# Altium PCB flight controller rev2.PcbDoc (part 1 of 3)
Units mil, origin at the board's own origin, x right, y up, seen from the top; angles counter-clockwise.
Board outline 2992.13 x 3937.01 mil, 4 copper layers (Top Layer, horizontal, vertical, Bottom Layer), stack 70.112 mil thick; 184 components, 196 nets, 867 pads, 294 vias.
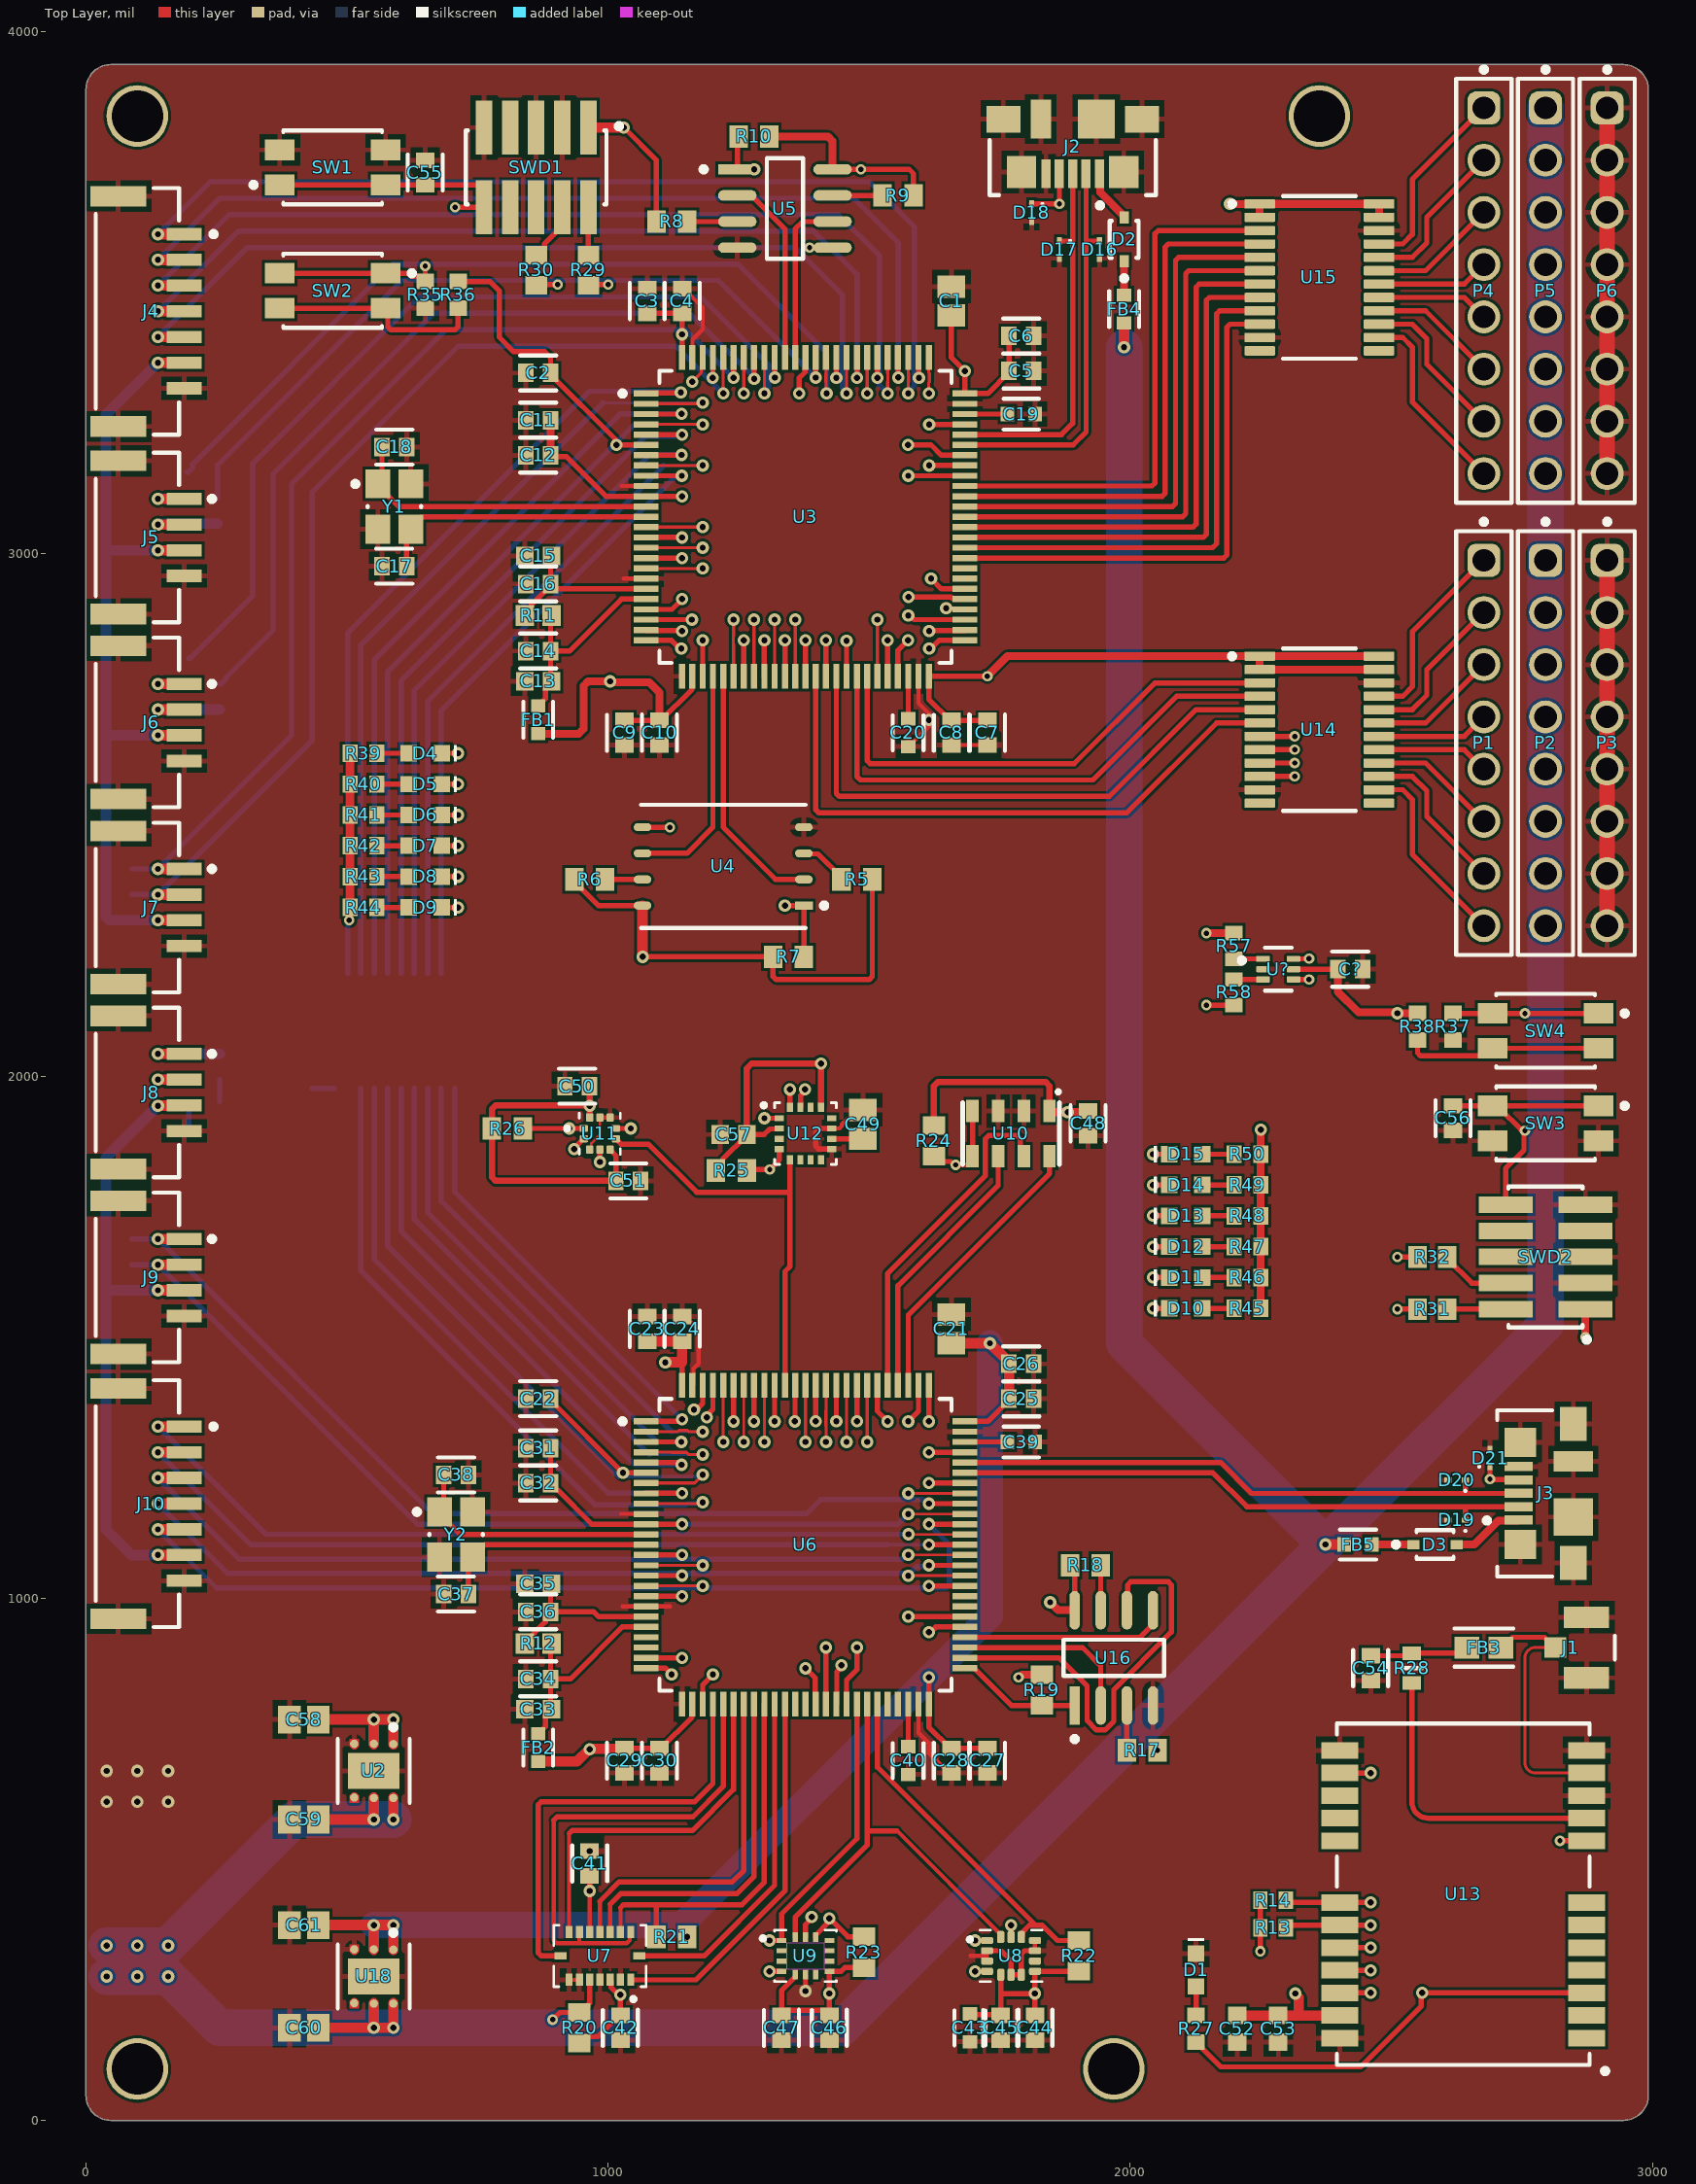
[diagram p0: Top Layer view]
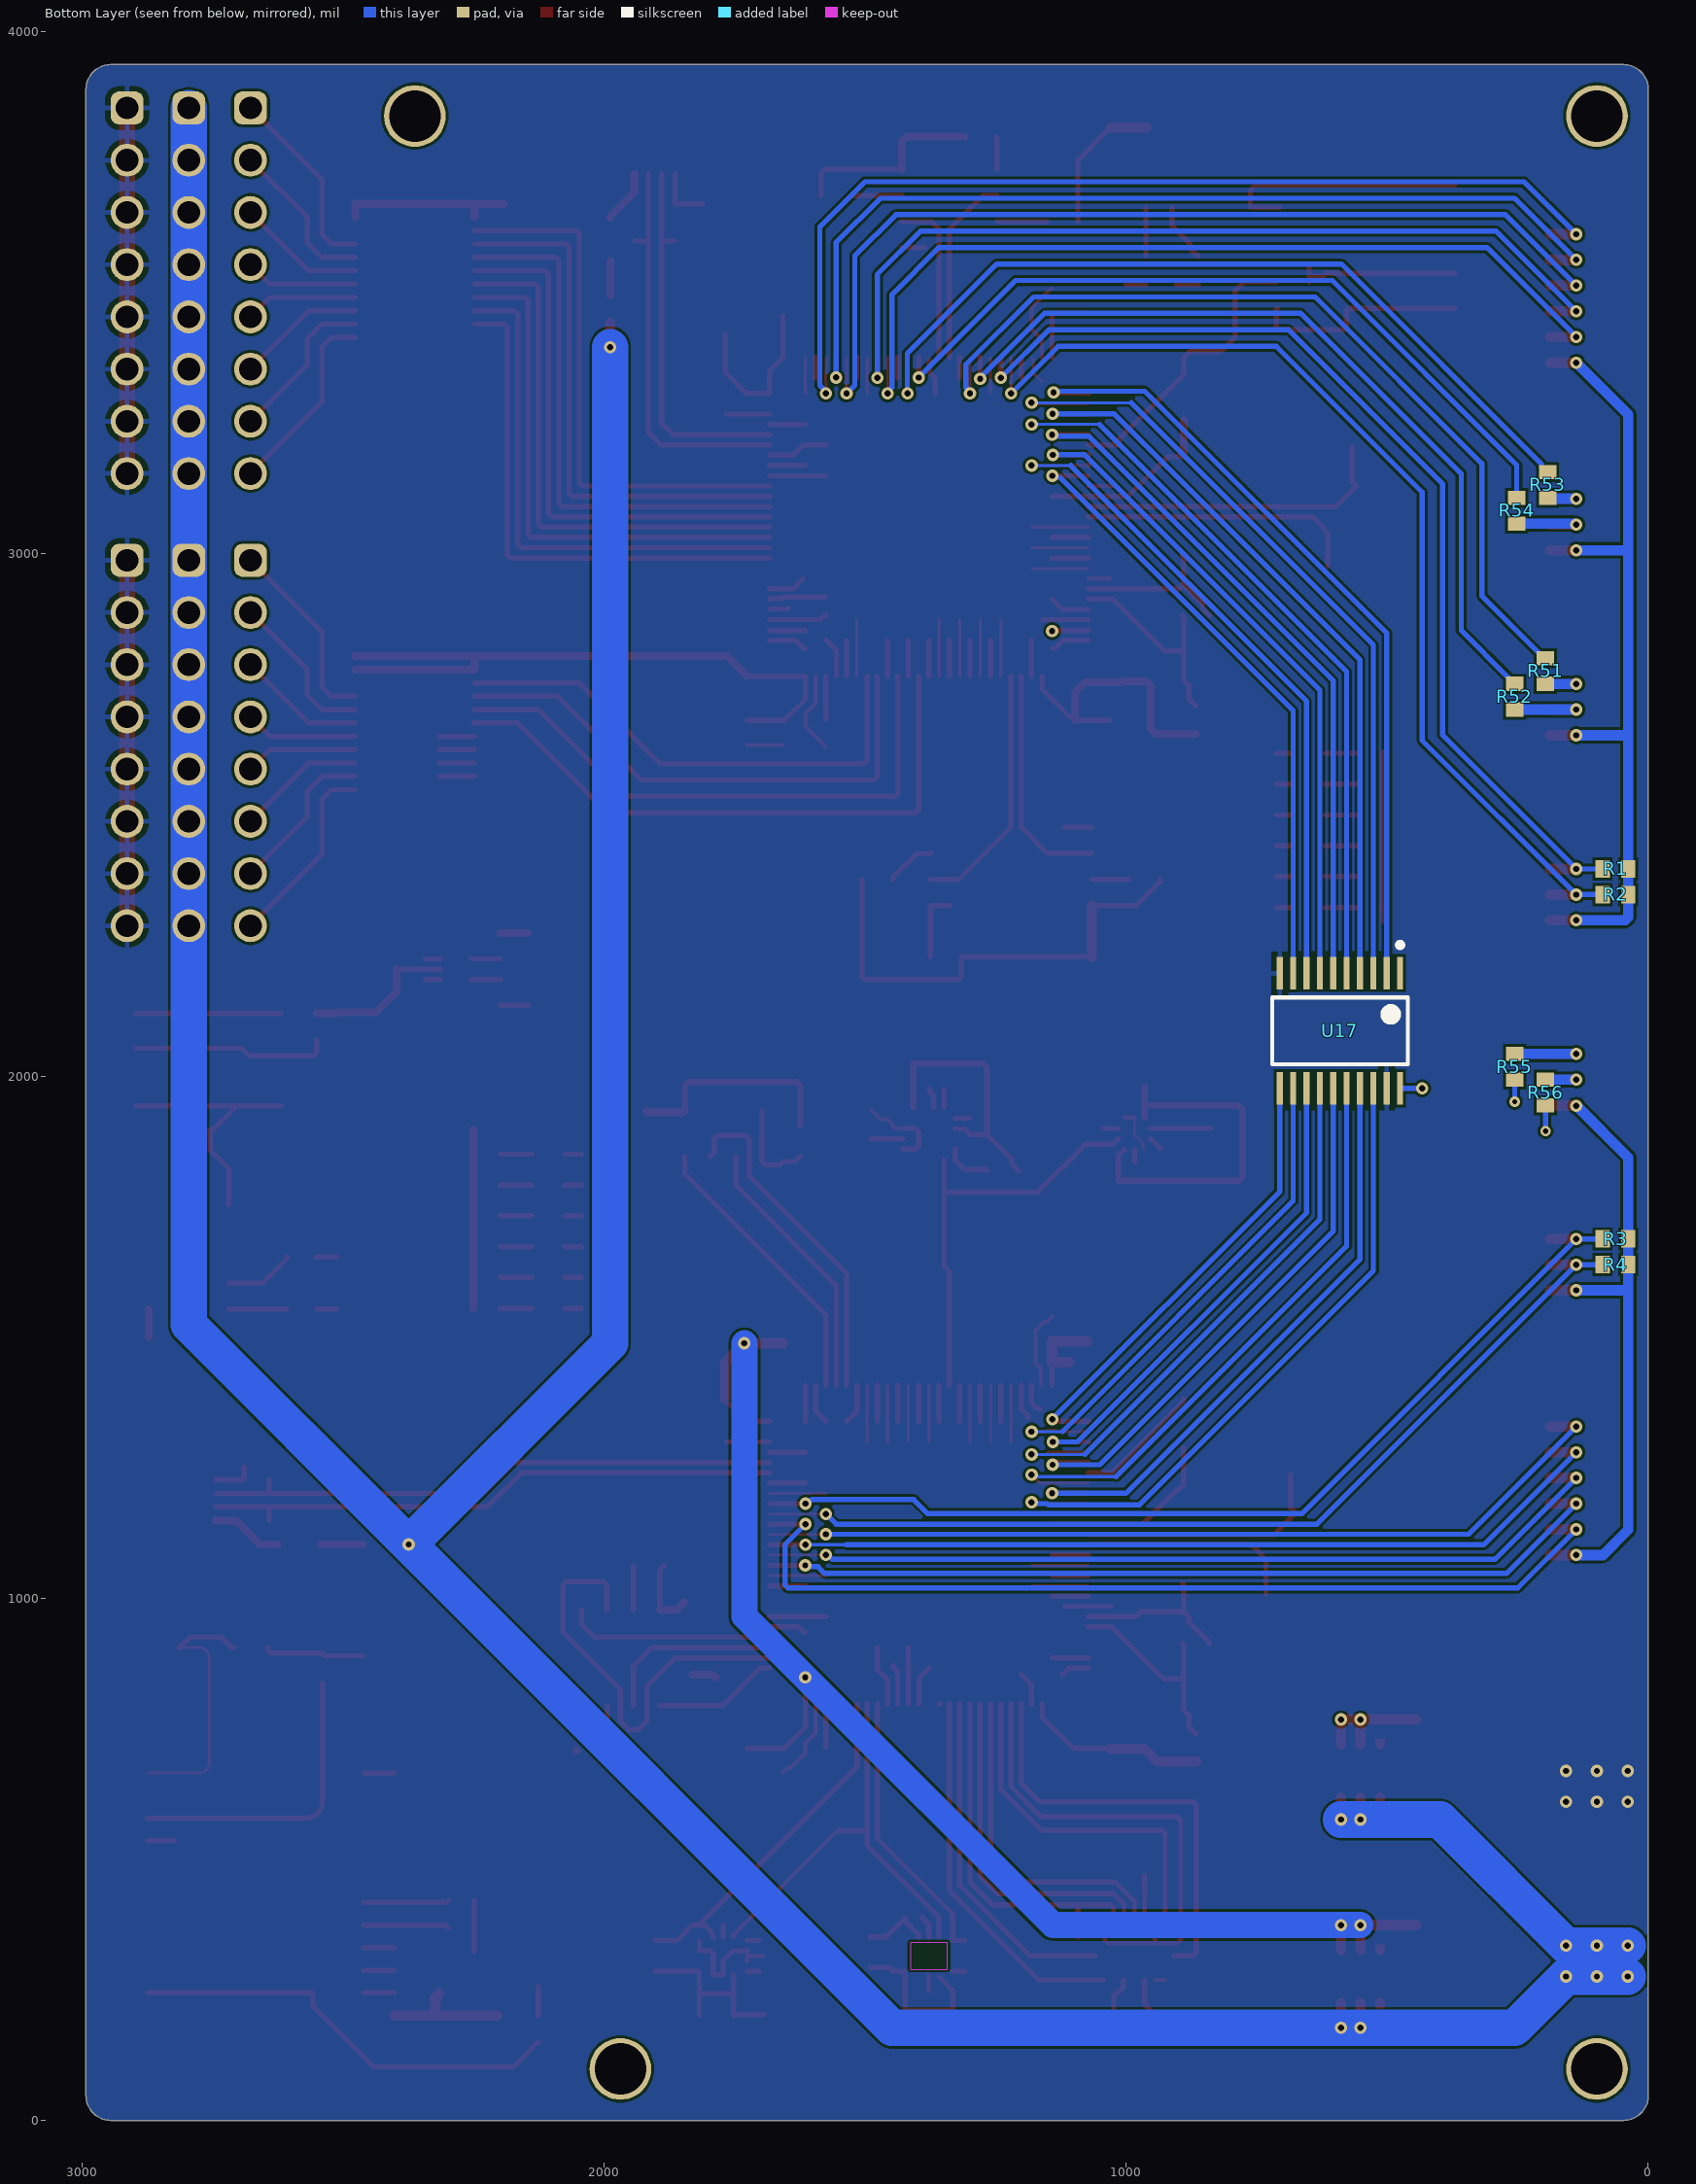
[diagram p1: Bottom Layer view, seen from below]
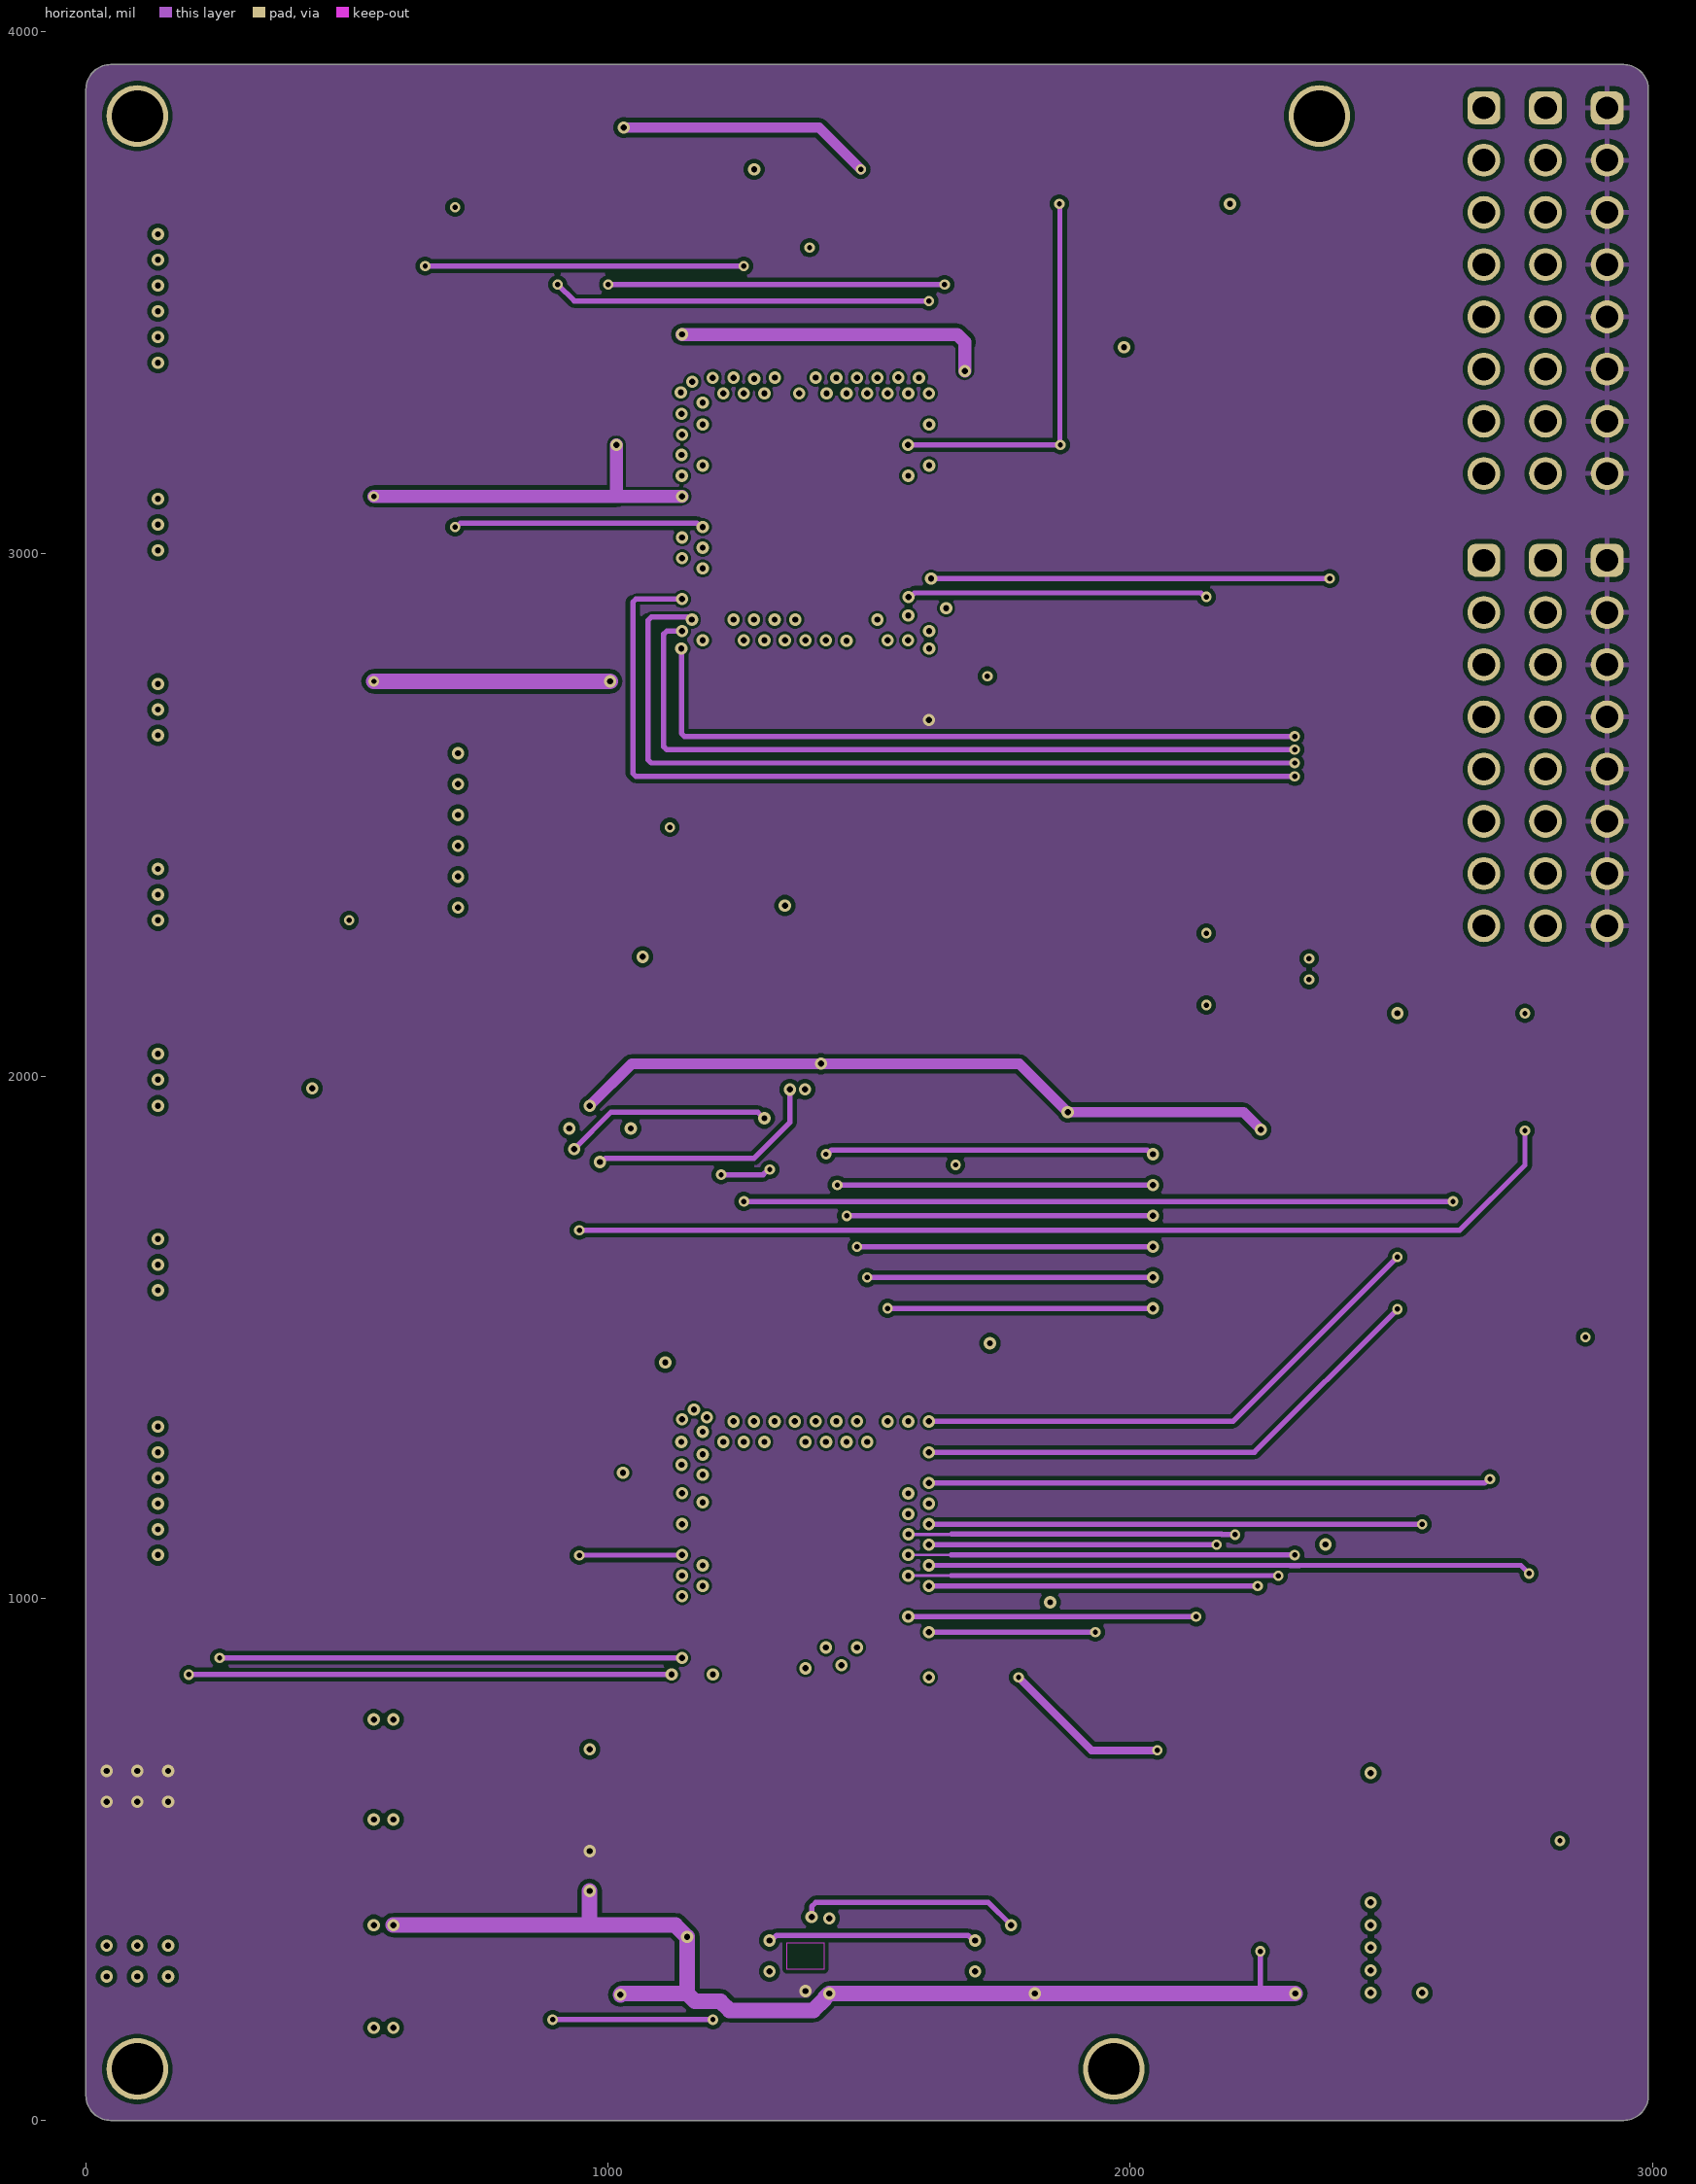
[diagram p2: horizontal]
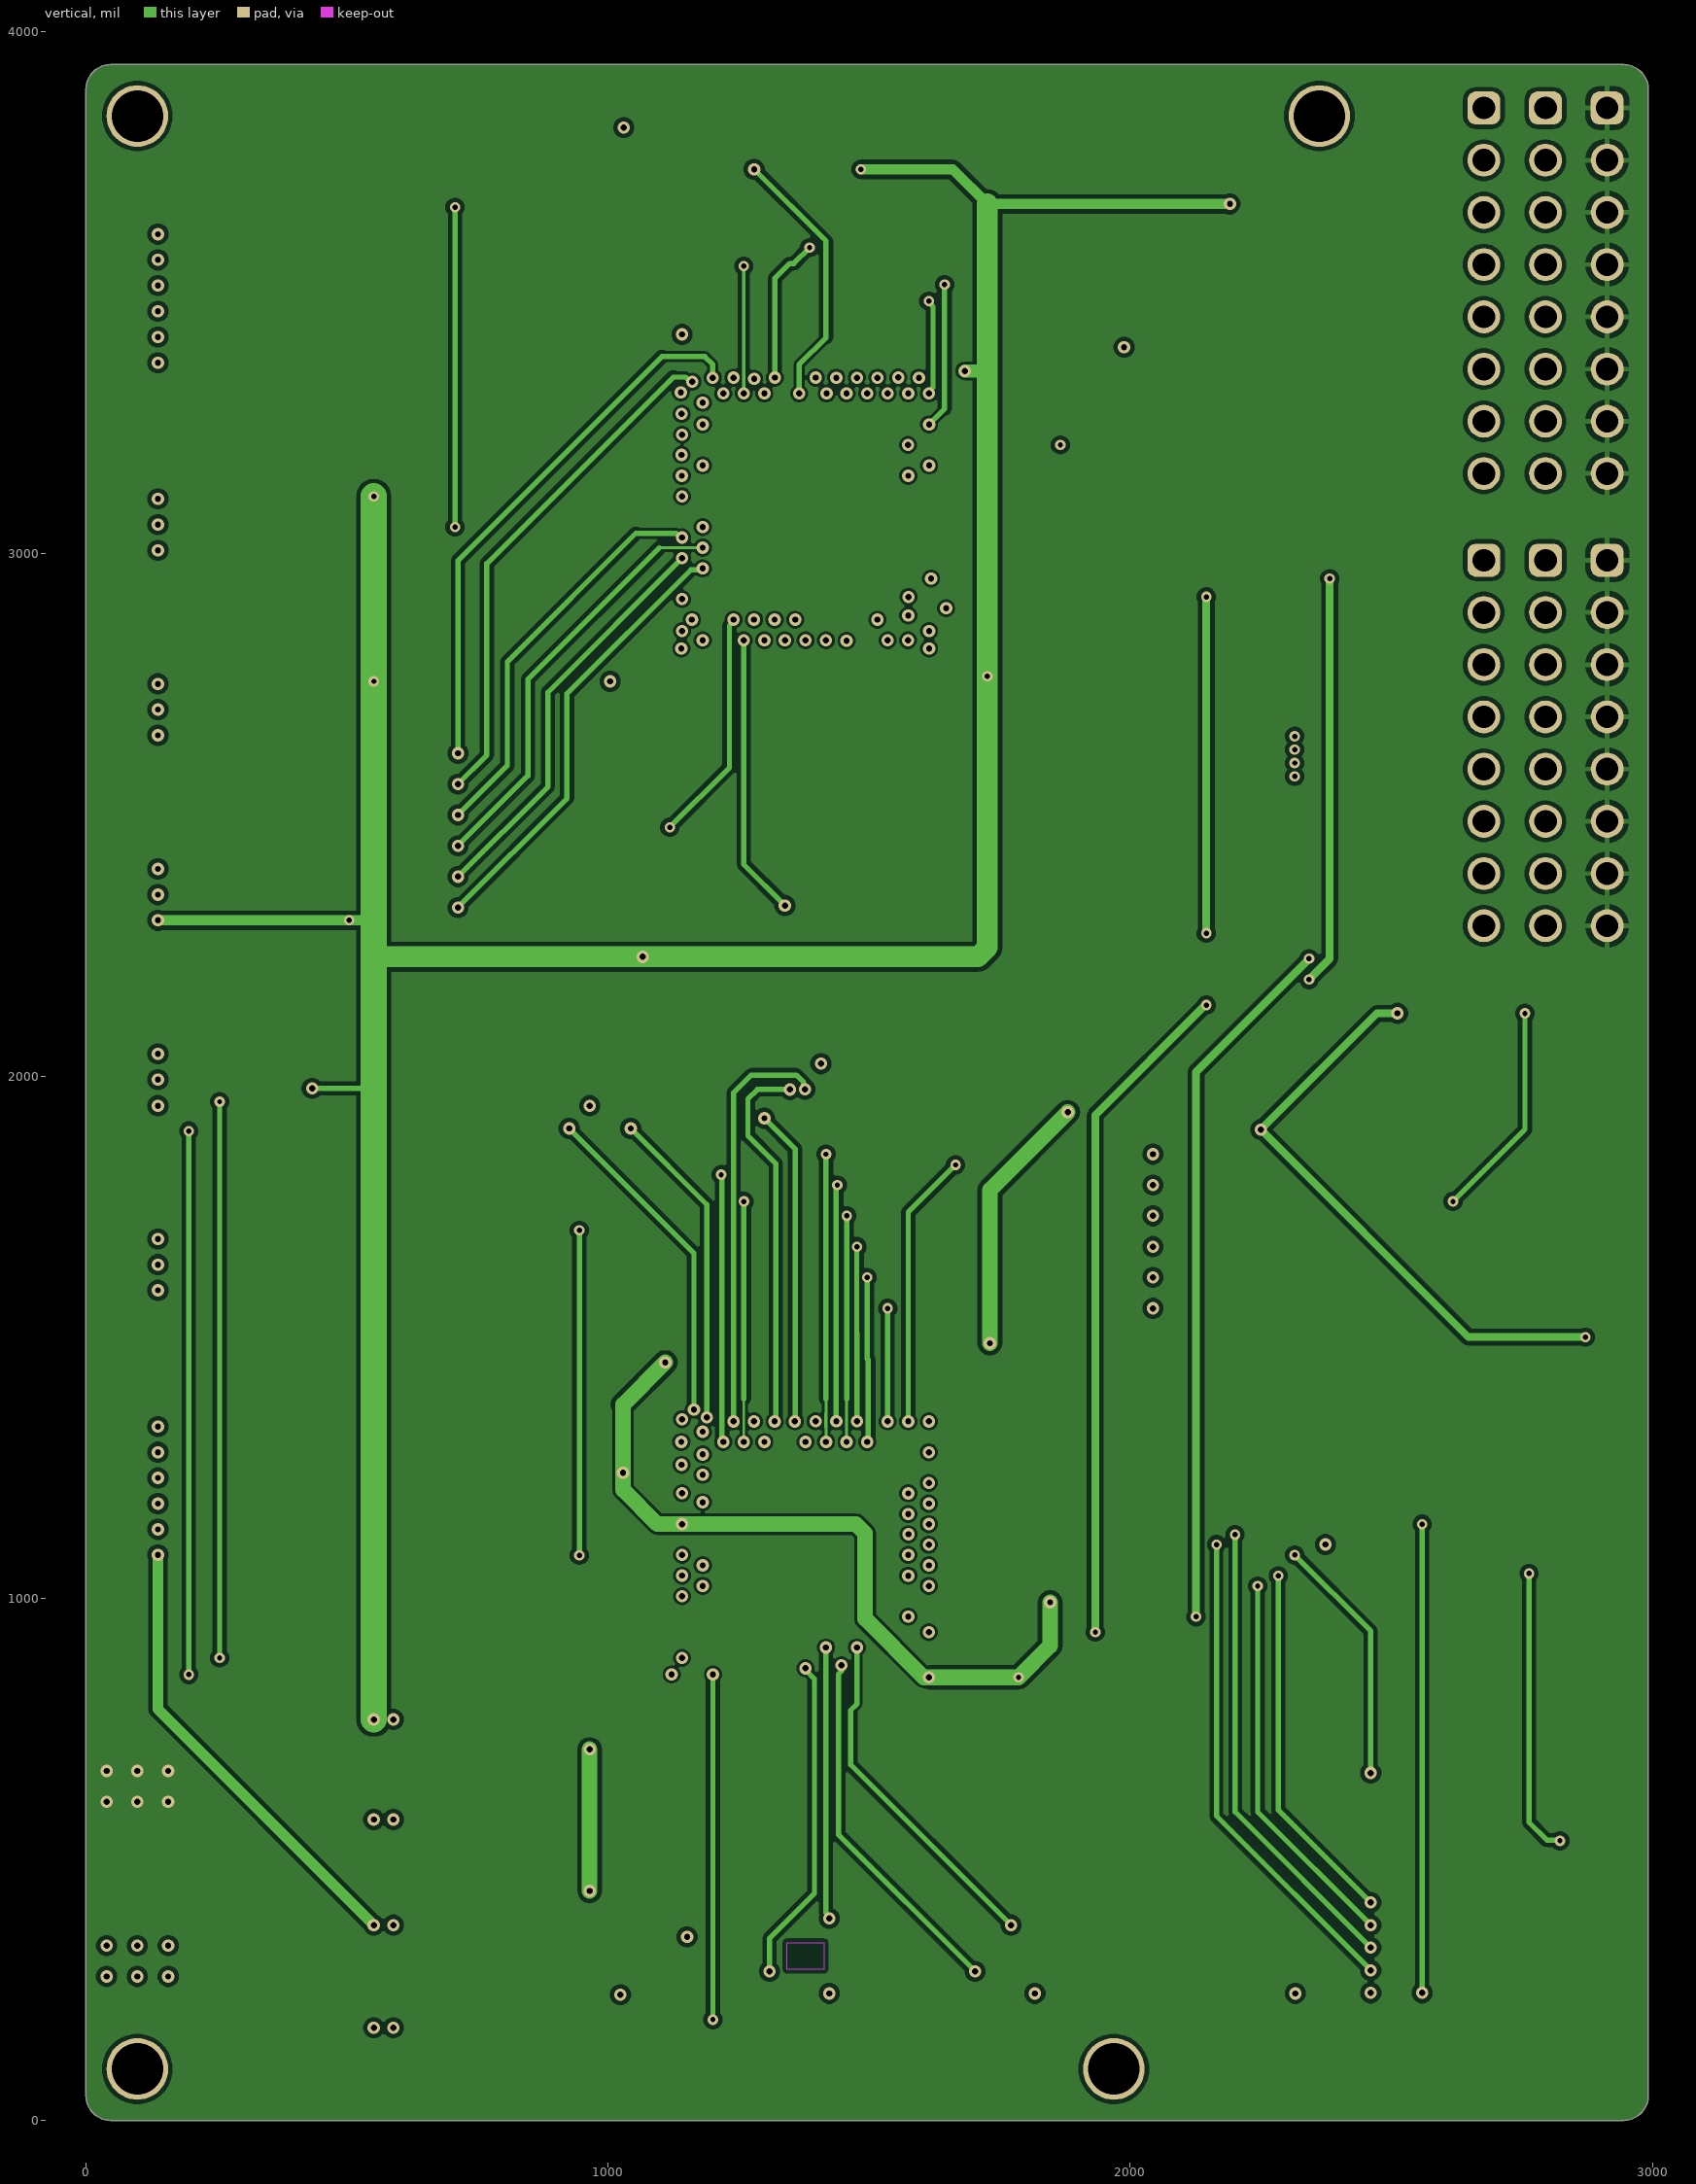
[diagram p3: vertical]